# Altium PCB EPS.PcbDoc (part 1 of 2) (continued)
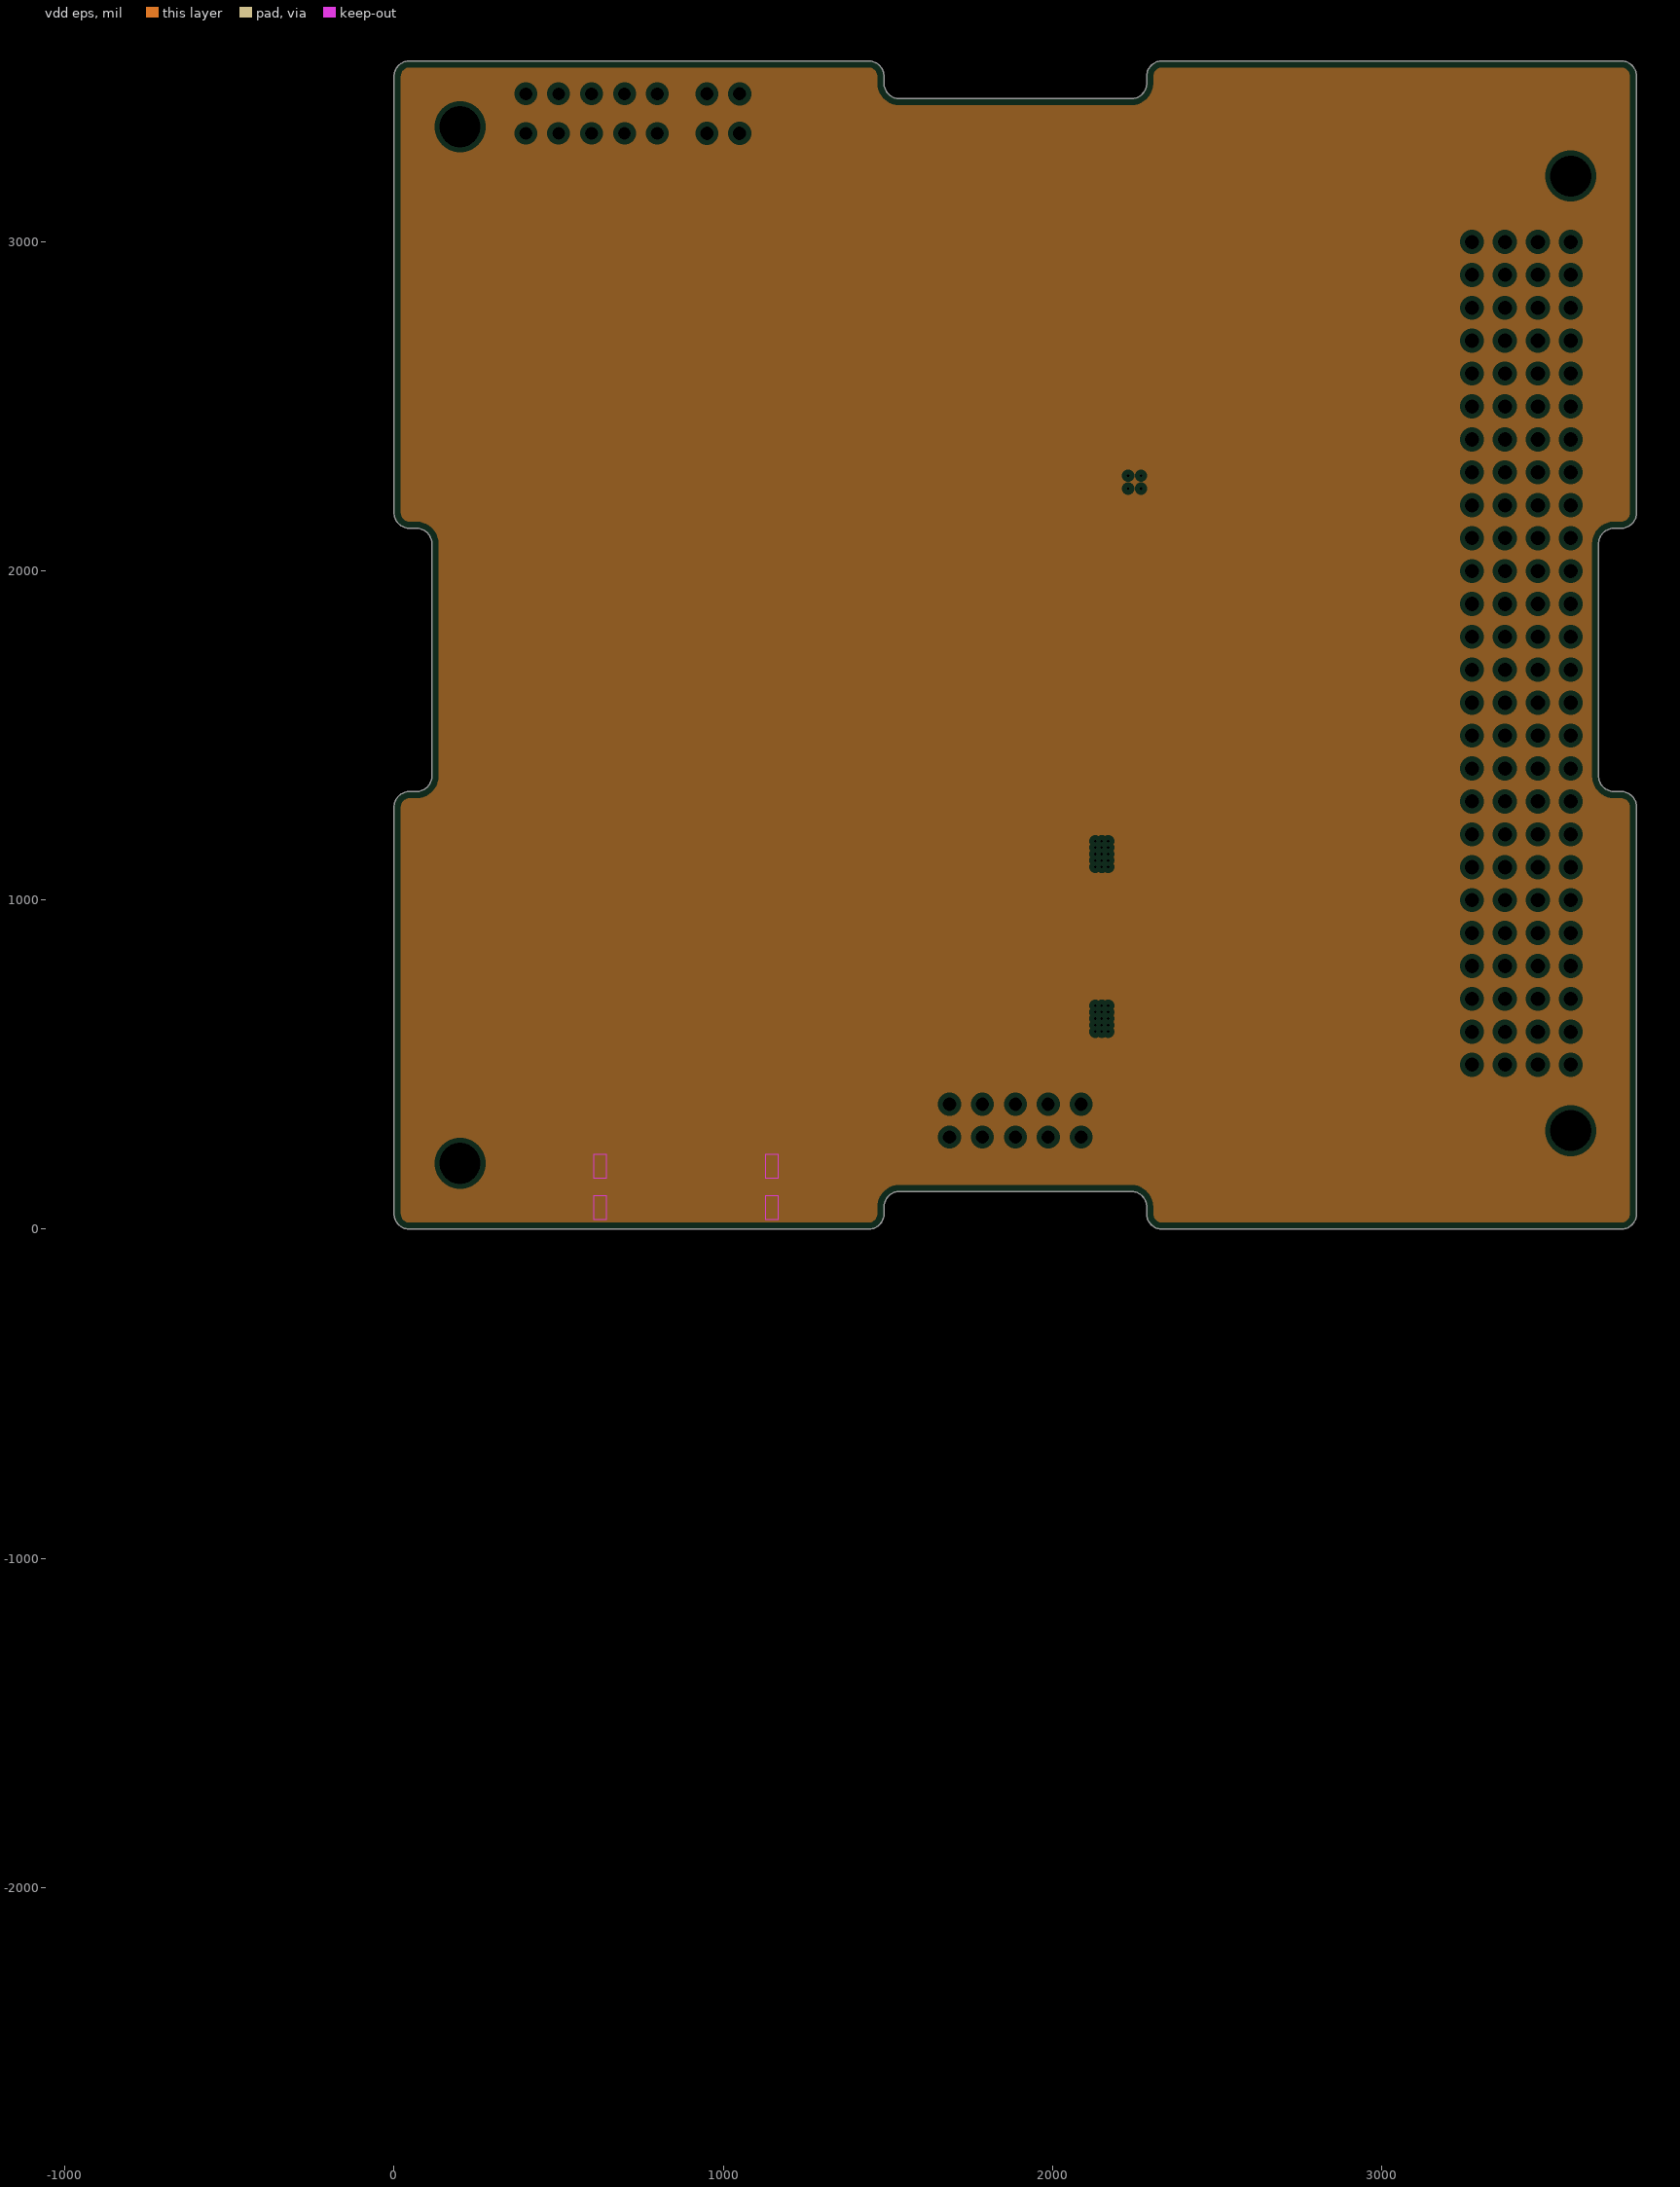
[diagram p3: vdd eps, clearances drawn from the general rule]

## Layer stack, top to bottom
Top Solder: solder mask 0.5, Solder Resist, Dk 3.3
Top Layer: signal copper 0.7
Dielectric 1: prepreg 2.8, PP-006, Dk 4.1
Layer 1: signal copper 1.378
Dielectric 3: prepreg 2.8, PP-006, Dk 4.1
gnd: plane copper 1.378
Dielectric1: core 59, FR-4, Dk 4.3
vdd eps: plane copper 1.378
Dielectric 4: prepreg 2.8, PP-006, Dk 4.1
Layer 2: signal copper 1.378
Dielectric 2: prepreg 2.8, PP-006, Dk 4.1
Bottom Layer: signal copper 0.7
Bottom Solder: solder mask 0.5, Solder Resist, Dk 3.3

## Board outline
0,47.24 0,1282.68 cw(c47.24,1282.68) 47.24,1329.92 67.72,1329.92 ccw(c67.72,1377.17) 114.96,1377.17 114.96,2082.68 ccw(c67.72,2082.68) 67.72,2129.92 47.24,2129.92 cw(c47.24,2177.17) 0,2177.17 0,3502.76 cw(c47.24,3502.76) 47.24,3550 1441.34,3550 cw(c1441.34,3502.76) 1488.58,3502.76 1488.58,3482.28 ccw(c1535.83,3482.28) 1535.83,3435.04 2239.37,3435.04 ccw(c2239.37,3482.28) 2286.61,3482.28 2286.61,3502.76 cw(c2333.86,3502.76) 2333.86,3550 3727.95,3550 cw(c3727.95,3502.76) 3775.2,3502.76 3775.2,2177.17 cw(c3727.95,2177.17) 3727.95,2129.92 3707.09,2129.92 ccw(c3707.09,2082.68) 3659.84,2082.68 3659.84,1377.17 ccw(c3707.09,1377.17) 3707.09,1329.92 3727.95,1329.92 cw(c3727.95,1282.68) 3775.2,1282.68 3775.2,47.24 cw(c3727.95,47.24) 3727.95,0 2333.86,0 cw(c2333.86,47.24) 2286.61,47.24 2286.61,67.72 ccw(c2239.37,67.72) 2239.37,114.96 1535.83,114.96 ccw(c1535.83,67.72) 1488.58,67.72 1488.58,47.24 cw(c1441.34,47.24) 1441.34,0 47.24,0 cw(c47.24,47.24)

## Design rules (kind name [scope] priority, off if disabled: settings)
Clearance [All] p1: gap=6 ignorepadtopadclearanceinfootprint=FALSE
DiffPairsRouting [All] p1: maxlimit=10 minlimit=10 mostfreqgap=10 toplayer_minwidth=10 toplayer_maxwidth=10 toplayer_prefwidth=10 midlayer1_minwidth=10 midlayer1_maxwidth=10 midlayer1_prefwidth=10 midlayer2_minwidth=10 midlayer2_maxwidth=10 midlayer2_prefwidth=10 bottomlayer_minwidth=10 bottomlayer_maxwidth=10 bottomlayer_prefwidth=10 maxuncoupledlength=500
HoleSize [All] p1: absolutevalues=TRUE maxlimit=300 minlimit=10 maxpercent=80.000 minpercent=20.000
MinimumAnnularRing [All] p1: minimumring=10
PasteMaskExpansion [All] p1: expansion=10
PlaneClearance [All] p1: clearance=15
PlaneConnect [All] p1: pad.planeconnectstyle=Relief pad.reliefexpansion=20 pad.reliefentries=4 pad.reliefconductorwidth=10 pad.reliefairgap=10 via.planeconnectstyle=Direct via.reliefexpansion=20 via.reliefentries=4 via.reliefconductorwidth=10 via.reliefairgap=10
PolygonConnect [All] p1: thpad.connectstyle=Relief thpad.reliefconductorwidth=10 thpad.reliefentries=4 thpad.polygonreliefangle="90 Angle" thpad.airgapwidth=10 smdpad.connectstyle=Relief smdpad.reliefconductorwidth=10 smdpad.reliefentries=4 smdpad.polygonreliefangle="90 Angle" smdpad.airgapwidth=10 via.connectstyle=Direct via.reliefconductorwidth=10 via.reliefentries=4 via.polygonreliefangle="90 Angle" via.airgapwidth=10
RoutingVias [All] p1: holewidth=10 width=20 viastyle="Through Hole" minholewidth=10 minwidth=20 maxholewidth=10 maxwidth=20
SMDNeckDown [All] p1: percent=100.000
SilkToSolderMaskClearance SilkscreenOverComponentPads [IsPad] p1: minsilkscreentomaskgap=10 clearancetoexposedcopper=TRUE
SolderMaskExpansion [All] p1: expansion=10 istentingtop=FALSE
SupplyNets "Schematic Supply Nets" [InNet('VDD_SR')] p1: voltage=0.000
SupplyNets "Schematic Supply Nets_4" [InNet('VDD_EPS')] p2: voltage=0.000
SupplyNets "Schematic Supply Nets_3" [InNet('GND')] p3: voltage=0.000
Width [All] p1: maxlimit=70 minlimit=5 preferedwidth=15
24 further rules are at their usual default settings.

## Classes and differential pairs
net class "SOLAR PWR": NetD13_XY_2 NetD13_YZ_2 NetD13_ZX_2 NetD15_XY_2 NetD15_YZ_2 NetD15_ZX_2 NetL5_XY_1 NetL5_YZ_1 NetL5_ZX_1 Vout_Panels
net class PWR: 3V3_1 3V3_2 5V0 UNREG_1 UNREG_2 VDD_MCU
channel class Panels: XY YZ ZX
component class ZX: C83_ZX C85_ZX C87_ZX C104_ZX D13_ZX D14_ZX D15_ZX J6_ZX J7_ZX L5_ZX R117_ZX R118_ZX R119_ZX R120_ZX R121_ZX R122_ZX R123_ZX R124_ZX U29_ZX U30_ZX U31_ZX U32_ZX
component class YZ: C83_YZ C85_YZ C87_YZ C104_YZ D13_YZ D14_YZ D15_YZ J6_YZ J7_YZ L5_YZ R117_YZ R118_YZ R119_YZ R120_YZ R121_YZ R122_YZ R123_YZ R124_YZ U29_YZ U30_YZ U31_YZ U32_YZ
component class XY: C83_XY C85_XY C87_XY C104_XY D13_XY D14_XY D15_XY J6_XY J7_XY L5_XY R117_XY R118_XY R119_XY R120_XY R121_XY R122_XY R123_XY R124_XY U29_XY U30_XY U31_XY U32_XY
component class U_SolarMppt: C88 C89 C90 C91 C92 C93 C94 C95 C96 C97 R125 R126 U33
component class U_Ports: D17 D18 D19 D20 J8 J9 J10 R128 R129
component class N: C44_N C45_N C46_N C47_N Q10_N Q11_N Q12_N R49_N R50_N R51_N R53_N R54_N R55_N R56_N R57_N U13_N U14_N
component class M: C44_M C45_M C46_M C47_M Q10_M Q11_M Q12_M R49_M R50_M R51_M R53_M R54_M R55_M R56_M R57_M U13_M U14_M
component class 5V0_VoltageReg: C34 C35 C36 C37 C38 C39 C40 C41 C42 C43 L4 Q8 Q9 R36 R37 R38 R39 R40 R41 R42 R43 R44 R45 R46 R47 R48 U10 U11 U12
component class B: C23_B C24_B C25_B C26_B C27_B C28_B C29_B C30_B C31_B C32_B C33_B L3_B Q6_B Q7_B R25_B R26_B R27_B R28_B R29_B R30_B R31_B R32_B R33_B R34_B R35_B U7_B U8_B U9_B
component class A: C23_A C24_A C25_A C26_A C27_A C28_A C29_A C30_A C31_A C32_A C33_A L3_A Q6_A Q7_A R25_A R26_A R27_A R28_A R29_A R30_A R31_A R32_A R33_A R34_A R35_A U7_A U8_A U9_A
component class U_SRIC_Peripherals: C52 C53 C54 C55 C56 D13 D14 D15 D16 D21 D22 D23 J1 J5 J11 R60 R61 R62 R63 R64 R117 R118 R119 R120 R130 R131 SW1 U17 Y1 Y2
component class U_3V3_SRIC_EPS: C1 C2 C3 C4 C5 C6 C7 C8 C9 C10 C11 L1 Q1 Q2 R1 R2 R3 R4 R5 R6 R7 R8 R9 U1 U2 U3
component class SRIC: C48 C49 C50 C51 C98 R58 R59 U15 U16
component class PMIC_Watchdog: C67 R67 R68 SW2 U20
component class PMIC_Debug: D1 D2 D3 D4 D5 D6 D7 D8 J2 J3 J4 R69 R70 R71 R72 R73 R74 R75 R76 R77 R78
component class PMIC_Crystal: C68 C69 C70 C71 Y3 Y4
component class PC104: D10 H1 H2 R110
component class PMIC: R65 R66 U19
component class CAN2: C81 C82 D12 R115 R116 U28
component class CAN1: C79 C80 D11 R113 R114 U27
channel class UnRegPower: M N
channel class 3V3_VoltageReg: A B
component class U_3V3_MCU: C12 C13 C14 C15 C16 C17 C18 C19 C20 C21 C22 L2 Q3 Q4 Q5 R10 R11 R12 R13 R14 R15 R16 R19 R20 R21 R22 R24 U4 U5 U6
component class OR_Gate: C72 C73 C74 C75 C77 D9 R80 R81 R82 R83 R84 R85 R86 R87 R88 R89 R90 R91 R92 R93 R94 R95 R96 R97 R98 R99 R100 R101 R102 R103 R104 R105 R106 R107 R108 R109 U21 U22 U23 U24 U25
component class PMIC_Power: C57 C58 C59 C60 C61 C62 C63 C64 C65 C66 U18
component class Mram: C78 R111 R112 R127 U26

## Components (designator, comment, footprint, x,y, rotation, side; value= is the part's Value field where it differs from the comment)
C1 "10uF" CAPC2013X140X45NL15T25 2469.68,-1254.83 r90 bottom locked
C2 "10uF" CAPC2013X140X45NL15T25 2318.7,-1254.83 r90 bottom locked
C3 "3300pF" FP-C0603C-CF-MFG 2420.74,-1364.51 r0 bottom locked value="3,300 pF"
C4 "560pF" FP-C0603C-CF-MFG 2300,-1063.41 r180 bottom locked value="560 pF"
C5 "33pF" FP-C0603C-CF-MFG 2130,-1113.09 r90 bottom locked value="33 pF"
C6 "22uF" FP-GRM21B-0_2-e0_2_0_7-IPC_C 2561.32,-1249.93 r270 bottom locked
C7 "22uF" FP-GRM21B-0_2-e0_2_0_7-IPC_C 2667.44,-1303.08 r270 bottom locked
C8 "0.1uF" FP-C0603C-CF-MFG 2920,-1100 r90 bottom locked value="0.10 μF"
C9 "4.7uF" FP-GRM188-0_15-IPC_A 3010,-1107.91 r90 bottom locked
C10 "0.1uF" FP-C0603C-CF-MFG 2920,-800 r90 bottom locked value="0.10 μF"
C11 "4.7uF" FP-GRM188-0_15-IPC_A 3010,-807.91 r90 bottom locked
C12 "10uF" CAPC2013X140X45NL15T25 2269.68,2471.73 r270 top locked
C13 "10uF" CAPC2013X140X45NL15T25 2269.68,2471.73 r270 bottom locked
C14 "3300pF" FP-C0603C-CF-MFG 2220.74,2575.09 r0 top locked value="3,300 pF"
C15 "560pF" FP-C0603C-CF-MFG 2100,2281.81 r180 top locked value="560 pF"
C16 "33pF" FP-C0603C-CF-MFG 1930,2330 r270 top locked value="33 pF"
C17 "22uF" FP-GRM21B-0_2-e0_2_0_7-IPC_C 2361.73,2466.84 r90 top locked
C18 "22uF" FP-GRM21B-0_2-e0_2_0_7-IPC_C 2361.73,2466.84 r90 bottom locked
C19 "0.1uF" FP-C0603C-CF-MFG 2720,2270 r270 top locked value="0.10 μF"
C20 "4.7uF" FP-GRM188-0_15-IPC_A 2622.13,2510 r180 top locked
C21 "0.1uF" FP-C0603C-CF-MFG 2890,2355.59 r270 top locked value="0.10 μF"
C22 "10uF" CAPC2013X140X45NL15T25 3130,2345.75 r90 top locked
C23_A "10uF" CAPC2013X140X45NL15T25 2000,1260.08 r270 bottom locked (schematic designator C23)
C23_B "10uF" CAPC2013X140X45NL15T25 2000,760.08 r270 bottom locked (schematic designator C23)
C24_A "10uF" CAPC2013X140X45NL15T25 2000,1260.08 r270 top locked (schematic designator C24)
C24_B "10uF" CAPC2013X140X45NL15T25 2000,760.08 r270 top locked (schematic designator C24)
C25_A "0.1uF" FP-C0603C-CF-MFG 2300,1080 r270 top locked value="0.10 μF" (schematic designator C25)
C25_B "0.1uF" FP-C0603C-CF-MFG 2300,580 r270 top locked value="0.10 μF" (schematic designator C25)
C26_A "22uF" FP-GRM21B-0_2-e0_2_0_7-IPC_C 2300,1300 r90 top locked (schematic designator C26)
C26_B "22uF" FP-GRM21B-0_2-e0_2_0_7-IPC_C 2300,800 r90 top locked (schematic designator C26)
C27_A "22uF" FP-GRM21B-0_2-e0_2_0_7-IPC_C 2300,1300 r90 bottom locked (schematic designator C27)
C27_B "22uF" FP-GRM21B-0_2-e0_2_0_7-IPC_C 2300,800 r90 bottom locked (schematic designator C27)
C28_A "22uF" FP-GRM21B-0_2-e0_2_0_7-IPC_C 2400,1300 r90 top locked (schematic designator C28)
C28_B "22uF" FP-GRM21B-0_2-e0_2_0_7-IPC_C 2400,800 r90 top locked (schematic designator C28)
C29_A "22uF" FP-GRM21B-0_2-e0_2_0_7-IPC_C 2500,1300 r90 top locked (schematic designator C29)
C29_B "22uF" FP-GRM21B-0_2-e0_2_0_7-IPC_C 2500,800 r90 top locked (schematic designator C29)
C30_A "3300pF" FP-C0603C-CF-MFG 2720,1040 r270 top locked value="3,300 pF" (schematic designator C30)
C30_B "3300pF" FP-C0603C-CF-MFG 2720,540 r270 top locked value="3,300 pF" (schematic designator C30)
C31_A "10uF" CAPC2013X140X45NL15T25 2622.13,1280 r0 top locked (schematic designator C31)
C31_B "10uF" CAPC2013X140X45NL15T25 2622.13,780 r0 top locked (schematic designator C31)
C32_A "0.1uF" FP-C0603C-CF-MFG 2890,1125.59 r270 top locked value="0.10 μF" (schematic designator C32)
C32_B "0.1uF" FP-C0603C-CF-MFG 2890,625.59 r270 top locked value="0.10 μF" (schematic designator C32)
C33_A "10uF" CAPC2013X140X45NL15T25 3130,1115.75 r90 top locked (schematic designator C33)
C33_B "10uF" CAPC2013X140X45NL15T25 3130,615.75 r90 top locked (schematic designator C33)
C34 "10uF" CAPC2013X140X45NL15T25 2100,1510 r90 top locked
C35 "1uF" CAPC1608X90X35ML10T15 2100,1510 r90 bottom locked
C36 "10nF" CAPC1608X90X35LL10T15 2229.53,1518.86 r90 top locked
C37 "22uF" FP-GRM21B-0_2-e0_2_0_7-IPC_C 2400,1895.47 r90 top locked
C38 "22uF" FP-GRM21B-0_2-e0_2_0_7-IPC_C 2300,1895.47 r90 top locked
C39 "22uF" FP-GRM21B-0_2-e0_2_0_7-IPC_C 2200,1895.47 r90 top locked
C40 "3300pF" FP-C0603C-CF-MFG 2720,1690 r270 top locked value="3,300 pF"
C41 "10uF" CAPC2013X140X45NL15T25 2622.13,1930 r0 top locked
C42 "0.1uF" FP-C0603C-CF-MFG 2890,1775.59 r270 top locked value="0.10 μF"
C43 "10uF" CAPC2013X140X45NL15T25 3130,1765.75 r90 top locked
C44_M "3300pF" FP-C0603C-CF-MFG 2720,-1840 r90 bottom locked value="3,300 pF" (schematic designator C44)
C44_N "3300pF" FP-C0603C-CF-MFG 2720,-2440 r90 bottom locked value="3,300 pF" (schematic designator C44)
C45_M "10uF" CAPC2013X140X45NL15T25 2633.44,-2070 r0 bottom locked (schematic designator C45)
C45_N "10uF" CAPC2013X140X45NL15T25 2633.44,-2670 r0 bottom locked (schematic designator C45)
C46_M "0.1uF" FP-C0603C-CF-MFG 2890,-1925.59 r90 bottom locked value="0.10 μF" (schematic designator C46)
C46_N "0.1uF" FP-C0603C-CF-MFG 2890,-2525.59 r90 bottom locked value="0.10 μF" (schematic designator C46)
C47_M "10uF" CAPC2013X140X45NL15T25 3130,-1915.75 r270 bottom locked (schematic designator C47)
C47_N "10uF" CAPC2013X140X45NL15T25 3130,-2515.75 r270 bottom locked (schematic designator C47)
C48 "4.7uF" FP-GRM188-0_15-IPC_A 1858.07,3035.83 r270 bottom locked
C49 "0.1uF" FP-C0603C-CF-MFG 1779.33,3035.83 r270 bottom locked value="0.10 μF"
C50 "0.1uF" FP-C0603C-CF-MFG 1995.87,2764.17 r90 bottom locked value="0.10 μF"
C51 "1uF" CAPC1608X90X35ML10T15 1751.77,2850.79 r180 bottom locked
C52 "0.1uF" FP-C0603C-CF-MFG 2970.87,3217.4 r180 top locked value="0.10 μF"
C53 "1.5pF" FP-C0603C-CF-MFG 1437.6,3008.27 r180 bottom locked value="1.5 pF"
C54 "1.5pF" FP-C0603C-CF-MFG 1437.6,2909.84 r180 bottom locked value="1.5 pF"
C55 "3.9pF" FP-CBR06C-MFG 1537.6,2819.68 r180 top locked value="3.9 pF"
C56 "3.9pF" FP-CBR06C-MFG 1537.6,3019.68 r0 top locked value="3.9 pF"
C57 "0.1uF" FP-C0603C-CF-MFG 463.78,2905.12 r270 bottom locked value="0.10 μF"
C58 "0.1uF" FP-C0603C-CF-MFG 1005.12,2836.22 r180 bottom locked value="0.10 μF"
C59 "0.1uF" FP-C0603C-CF-MFG 936.22,2294.88 r90 bottom locked value="0.10 μF"
C60 "0.1uF" FP-C0603C-CF-MFG 503.15,2294.88 r90 bottom locked value="0.10 μF"
C61 "0.1uF" FP-C0603C-CF-MFG 394.88,2639.37 r0 bottom locked value="0.10 μF"
C62 "4.7uF" FP-GRM188-0_15-IPC_A 542.52,2905.12 r270 bottom locked
C63 "0.1uF" FP-C0603C-CF-MFG 394.88,2521.26 r0 bottom locked value="0.10 μF"
C64 "1uF" CAPC1608X90X35LL15T15 394.88,2462.2 r180 bottom locked
C65 "1uF" CAPC1608X90X35LL15T15 394.88,2403.15 r180 bottom locked
C66 "10nF" FP-GRM188-0_1-e0_2_0_5-IPC_A 394.88,2342.13 r0 bottom locked
C67 "0.1uF" FP-C0603C-CF-MFG 2470.87,3217.4 r180 top locked value="0.10 μF"
C68 "1.5pF" FP-C0603C-CF-MFG 100,2727.95 r180 bottom locked value="1.5 pF"
C69 "1.5pF" FP-C0603C-CF-MFG 100,2629.53 r180 bottom locked value="1.5 pF"
C70 "3.9pF" FP-CBR06C-MFG 200,2509.84 r180 top locked value="3.9 pF"
C71 "3.9pF" FP-CBR06C-MFG 200,2709.84 r0 top locked value="3.9 pF"
C72 "0.1uF" FP-C0603C-CF-MFG 1555.55,2731.38 r0 top locked value="0.10 μF"
C73 "0.1uF" FP-C0603C-CF-MFG 1470.83,2485 r270 bottom locked value="0.10 μF"
C74 "0.1uF" FP-C0603C-CF-MFG 1579.17,2485 r270 top locked value="0.10 μF"
C75 "0.1uF" FP-C0603C-CF-MFG 1470.83,2235 r270 bottom locked value="0.10 μF"
C77 "0.1uF" FP-C0603C-CF-MFG 1579.17,2235 r270 top locked value="0.10 μF"
C78 "0.1uF" FP-C0603C-CF-MFG 411.42,1903.25 r0 top locked value="0.10 μF"
C79 "0.1uF" FP-C0603C-CF-MFG 2600,2962.8 r180 bottom value="0.10 μF"
C80 "C0603C472K2RACTU" FP-C0603C-CF-MFG 2990,2950 r0 bottom locked value="4,700 pF"
C81 "0.1uF" FP-C0603C-CF-MFG 2600,2937.2 r180 top value="0.10 μF"
C82 "C0603C472K2RACTU" FP-C0603C-CF-MFG 2990,2950 r0 top locked value="4,700 pF"
C83_XY "0.1uF" FP-C0603C-CF-MFG 940,1756.23 r270 bottom locked value="0.10 μF" (schematic designator C83)
C83_YZ "0.1uF" FP-C0603C-CF-MFG 860,756.23 r270 bottom locked value="0.10 μF" (schematic designator C83)
C83_ZX "0.1uF" FP-C0603C-CF-MFG 860,1256.23 r270 bottom locked value="0.10 μF" (schematic designator C83)
C85_XY "0.1uF" FP-C0603C-CF-MFG 940,1506.23 r270 bottom locked value="0.10 μF" (schematic designator C85)
C85_YZ "0.1uF" FP-C0603C-CF-MFG 860,506.23 r270 bottom locked value="0.10 μF" (schematic designator C85)
C85_ZX "0.1uF" FP-C0603C-CF-MFG 860,1006.23 r270 bottom locked value="0.10 μF" (schematic designator C85)
C87_XY "0.1uF" FP-C0603C-CF-MFG 1281.97,1592.48 r180 bottom locked value="0.10 μF" (schematic designator C87)
C87_YZ "0.1uF" FP-C0603C-CF-MFG 1201.97,581.04 r180 bottom locked value="0.10 μF" (schematic designator C87)
C87_ZX "0.1uF" FP-C0603C-CF-MFG 1201.97,1079.77 r180 bottom locked value="0.10 μF" (schematic designator C87)
C88 "22uF" FP-GRM21B-0_2-e0_2_0_7-IPC_C 1473.31,518.84 r90 bottom locked
C89 "22uF" FP-GRM21B-0_2-e0_2_0_7-IPC_C 1447.21,890.12 r180 bottom locked
C90 "22uF" FP-GRM21B-0_2-e0_2_0_7-IPC_C 1524.73,1465.12 r180 bottom locked
C91 "22uF" FP-GRM21B-0_2-e0_2_0_7-IPC_C 1473.31,1093.1 r90 bottom locked
C92 "22uF" FP-GRM21B-0_2-e0_2_0_7-IPC_C 1444.73,315.85 r180 bottom locked
C93 "22uF" FP-GRM21B-0_2-e0_2_0_7-IPC_C 1553.31,1668.1 r90 bottom locked
C94 "0.1uF" FP-C0603C-CF-MFG 1449.68,720.12 r180 bottom locked value="0.10 μF"
C95 "0.1uF" FP-C0603C-CF-MFG 1449.68,800.12 r180 bottom locked value="0.10 μF"
C96 "0.1uF" FP-C0603C-CF-MFG 1515,1275.24 r90 bottom locked value="0.10 μF"
C97 "0.1uF" FP-C0603C-CF-MFG 1353.03,1400.77 r0 bottom locked value="0.10 μF"
C98 "0.1uF" FP-C0603C-CF-MFG 1751.77,2909.84 r0 bottom locked value="0.10 μF"
C104_XY "0.1uF" FP-C0603C-CF-MFG 1180,1707.04 r270 bottom locked value="0.10 μF" (schematic designator C104)
C104_YZ "0.1uF" FP-C0603C-CF-MFG 1100,704.11 r270 bottom locked value="0.10 μF" (schematic designator C104)
C104_ZX "0.1uF" FP-C0603C-CF-MFG 1100,1205.29 r270 bottom locked value="0.10 μF" (schematic designator C104)
D1 "150060RS75000" WL-SMCW_0603_150060xx75000 1887.6,3330 r90 top locked
D2 "150060RS75000" WL-SMCW_0603_150060xx75000 1837.6,3330 r90 top locked
D3 "150060RS75000" WL-SMCW_0603_150060xx75000 1787.6,3330 r90 top locked
D4 "150060RS75000" WL-SMCW_0603_150060xx75000 1737.6,3330 r90 top locked
D5 "150060RS75000" WL-SMCW_0603_150060xx75000 1687.6,3330 r90 top locked
D6 "ESD9B5.0ST5G" ONSC-SOD-923-2-514AB-01_V -660.16,2867.73 r90 bottom locked
D7 "ESD9B5.0ST5G" ONSC-SOD-923-2-514AB-01_V -660.16,2967.73 r90 bottom locked
D8 "ESD9B5.0ST5G" ONSC-SOD-923-2-514AB-01_V -660.16,3067.73 r90 bottom locked
D9 "BAS40-05W" SOT65P210X110-3N 1227.83,2631.06 r90 top locked
D10 "150060RS75000" WL-SMCW_0603_150060xx75000 3141.81,2021.02 r180 top locked
D11 "NUP2105LT1G" ONSC-SOT-23-3-318-08_V 3100,2950 r180 bottom locked
D12 "NUP2105LT1G" ONSC-SOT-23-3-318-08_V 3100,2950 r180 top locked
D13 "150060RS75000" WL-SMCW_0603_150060xx75000 1937.6,3330 r90 top locked
D13_XY "NRVB120VLSFT1G" SODFL3616X98N 580,1810 r180 bottom locked (schematic designator D13)
D13_YZ "NRVB120VLSFT1G" SODFL3616X98N 500,810 r180 bottom locked (schematic designator D13)
D13_ZX "NRVB120VLSFT1G" SODFL3616X98N 500,1310 r180 bottom locked (schematic designator D13)
D14 "150060RS75000" WL-SMCW_0603_150060xx75000 1987.6,3330 r90 top locked
D14_XY "NRVB120VLSFT1G" SODFL3616X98N 580,1560 r180 bottom locked (schematic designator D14)
D14_YZ "NRVB120VLSFT1G" SODFL3616X98N 500,560 r180 bottom locked (schematic designator D14)
D14_ZX "NRVB120VLSFT1G" SODFL3616X98N 500,1060 r180 bottom locked (schematic designator D14)
D15 "150060RS75000" WL-SMCW_0603_150060xx75000 2037.6,3330 r90 top locked
D15_XY "NRVB120VLSFT1G" SODFL3616X98N 1494.25,1565.12 r180 bottom locked (schematic designator D15)
D15_YZ "NRVB120VLSFT1G" SODFL3616X98N 1414.25,415.85 r180 bottom locked (schematic designator D15)
D15_ZX "NRVB120VLSFT1G" SODFL3616X98N 1414.25,990.12 r180 bottom locked (schematic designator D15)
D16 "150060RS75000" WL-SMCW_0603_150060xx75000 2087.6,3330 r90 top locked
D17 "ESD9B5.0ST5G" ONSC-SOD-923-2-514AB-01_V 1390.43,3225 r270 bottom locked
D18 "ESD9B5.0ST5G" ONSC-SOD-923-2-514AB-01_V 1318.09,3225 r270 bottom locked
D19 "ESD9B5.0ST5G" ONSC-SOD-923-2-514AB-01_V 1266.91,3225 r270 bottom locked
D20 "ESD9B5.0ST5G" ONSC-SOD-923-2-514AB-01_V 1194.57,3225 r270 bottom locked
D21 "ESD9B5.0ST5G" ONSC-SOD-923-2-514AB-01_V -940.16,2867.73 r90 top locked
D22 "ESD9B5.0ST5G" ONSC-SOD-923-2-514AB-01_V -940.16,2967.73 r90 top locked
D23 "ESD9B5.0ST5G" ONSC-SOD-923-2-514AB-01_V -940.16,3067.73 r90 top locked
H1 "ESQ-126-39-G-D-001" RHDR52W64P254_2X26_6654X495X1135P 3275.2,3000 r270 top locked
H2 "ESQ-126-39-G-D-001" RHDR52W64P254_2X26_6654X495X1135P 3475.2,3000 r270 top locked
J1 "90120-0125" FP-90120-0125-MFG 600,3450 r180 top locked
J2 "90120-0125" FP-90120-0125-MFG 600,3330 r180 top locked
J3 "M20-9990245" FP-M20-9990245-MFG 1000,3330 r0 top locked
J4 "90120-0124" HDRV4W65P0X254_1X4_1016X254X945P -740.16,2851.2 r90 top locked
J5 "90120-0124" HDRV4W65P0X254_1X4_1016X254X945P -860.16,2851.2 r90 top locked
J6_XY "533980471" FP-533980471-MFG 380,1685 r180 top locked (schematic designator J6)
J6_YZ "533980471" FP-533980471-MFG 300,685 r180 top locked (schematic designator J6)
J6_ZX "533980471" FP-533980471-MFG 300,1185 r180 top locked (schematic designator J6)
J7_XY "533980471" FP-533980471-MFG 380,1435 r180 top locked (schematic designator J7)
J7_YZ "533980471" FP-533980471-MFG 300,435 r180 top locked (schematic designator J7)
J7_ZX "533980471" FP-533980471-MFG 300,935 r180 top locked (schematic designator J7)
J8 "53261-1071" FP-532611071-MFG 887,147.9 r180 top locked
J9 "IPT1-105-03-L-D" FP-IPT1-105-03-L-D-MFG 1887.6,330 r180 bottom
J10 "473460001" FP-473460001-MFG 1292.5,3405 r180 top locked
J11 "M20-9990245" FP-M20-9990245-MFG 1000,3450 r0 top locked
L1 "XGL4020-472MEC" FP-XGL4020-MFG 2450,-876.83 r180 bottom locked value=4.7uH
L2 "XGL4020-472MEC" FP-XGL4020-MFG 2250,2093.74 r180 top locked value=4.7uH
L3_A "XGL4020-152MEC" FP-XGL4020-MFG 2150,1328.57 r0 top locked value=1.5uH (schematic designator L3)
L3_B "XGL4020-152MEC" FP-XGL4020-MFG 2150,828.57 r0 top locked value=1.5uH (schematic designator L3)